# Altium PCB PA_8CH_CTRL.PcbDoc (part 7 of 10)
Units mm, origin at the board's own origin, x right, y up, seen from the top; angles counter-clockwise.
Board outline 390 x 110 mm, 4 copper layers (Component Side, Signal Layer 1, Power Plane, Solder Side), stack 1.604 mm thick; 833 components, 525 nets, 2536 pads, 1881 vias.
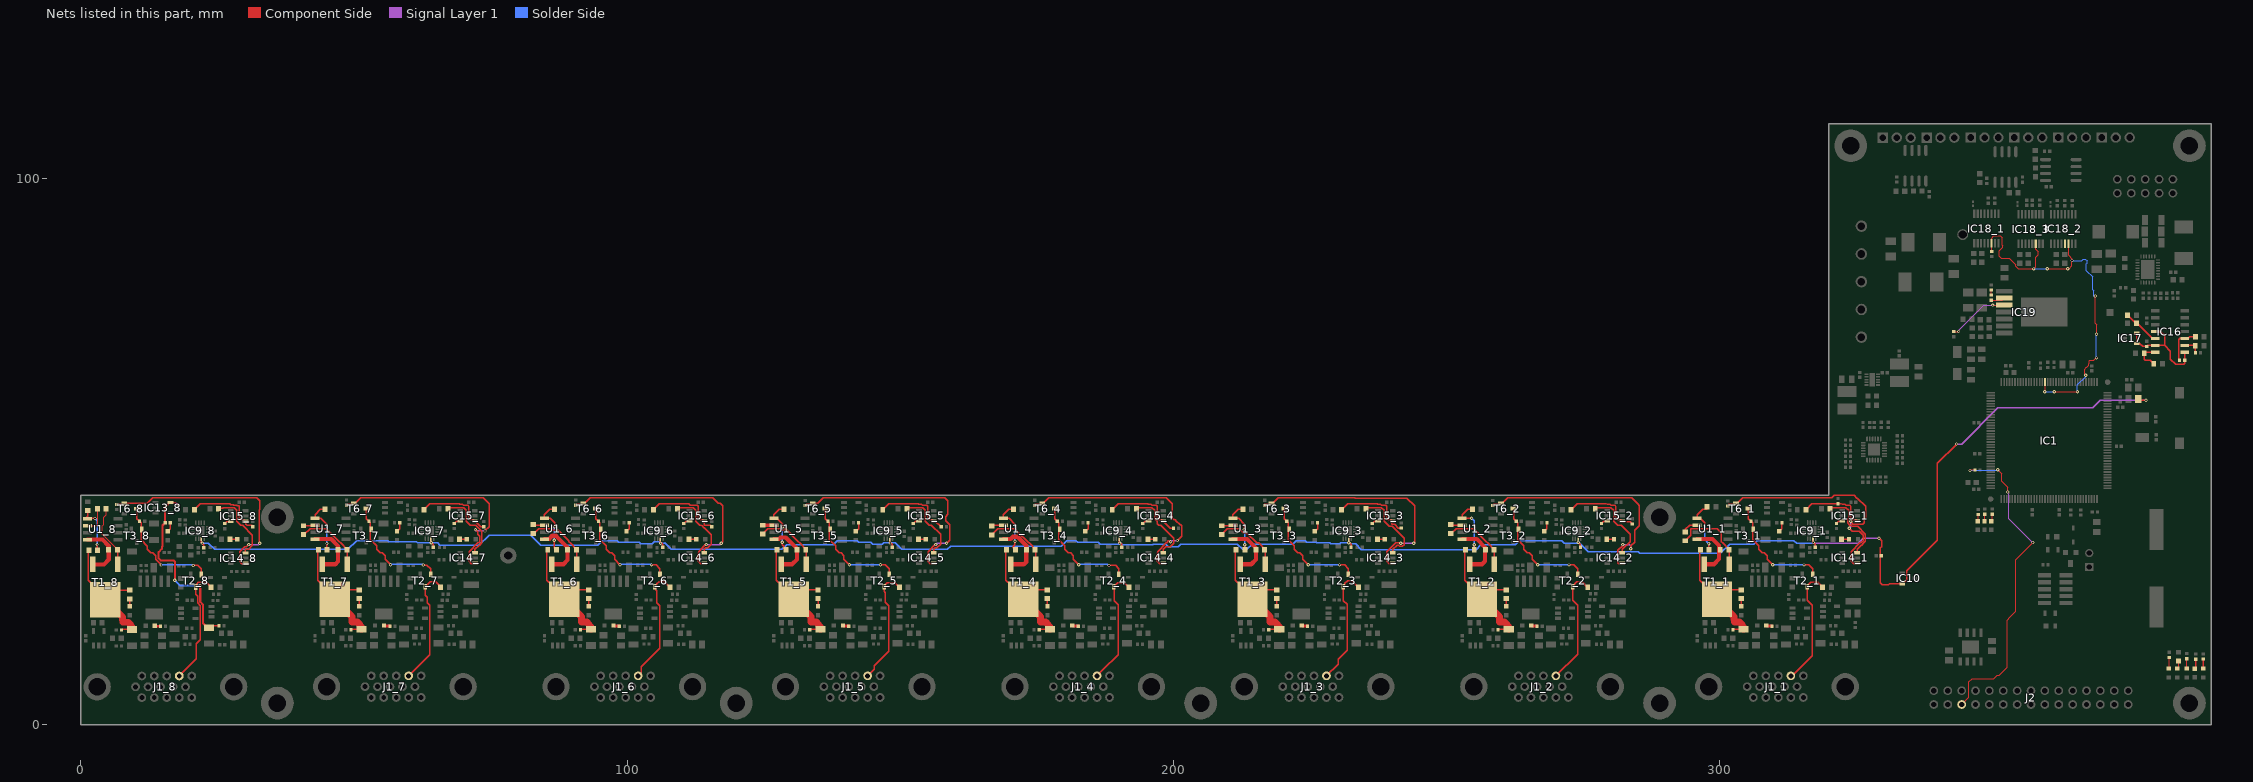
[diagram p9: the nets of this part, all layers, seen from the top]

## Via types
v1: diameter 0.6, hole 0.3, Component Side to Solder Side, tented both sides, 1530 vias
v2: diameter 0.6, hole 0.3, Component Side to Solder Side, 351 vias

## Nets (pads, with @x,y where several pads share a name; then routed paths per layer and width w, separated by ;. In a path a pad name is that pad's centre, name@x,y a point inside that pad or via, vN(x,y) a via of type N, cw(c..) or ccw(c..) an arc to the next point about the centre after c; other vN are vias at no path point) (continued)
NetIC13_8_5: IC13_8.5 R38_8.1 R46_8.2 R86_8.2 R104_8.1 | length 37.7
  Component Side w0.254: IC13_8.5@16.398,40.68 17.318,40.68 R86_8.2@17.811,40.187 ; 17.214,29.134 17.214,26.499 v1(17.221,26.492) ; R38_8.1@23.495,17.804 23.823,18.132 R46_8.2@25.311,18.132
  Component Side w0.381: IC13_8.5@16.398,40.68 16.194,40.68 15.847,40.332 15.847,40.287 15.456,39.897 R104_8.1@15.456,36.982 14.961,36.487 14.961,32.685 14.839,32.563 14.839,32.218 14.251,31.631 14.251,30.509 14.644,30.117 16.98,30.117 17.278,29.819 17.278,26.549 v1(17.221,26.492) ; v1(21.869,25.502) 21.876,25.495 21.876,22.53 22.386,22.02 22.386,18.61 23.192,17.804 R38_8.1@23.495,17.804
  Solder Side w0.381: v1(17.221,26.492) 18.212,25.502 v1(21.869,25.502)
NetIC14_1_4: IC14_1.4 R52_1.2 T6_1.1 | length 43.7
  Component Side w0.254: 301.61,40.376 302.805,40.376 T6_1.1@302.985,40.556 303.192,40.556 304.204,41.568 320.568,41.568 321,42 324.606,42 325.092,41.514 325.236,41.514 326.723,40.027 326.723,38.019 326.5,37.796 326.5,37 326.23,36.73 324.415,36.73 324.158,36.986 ; v2(323.75,36) 324.29,35.46 325.54,35.46 326.25,34.75 326.25,33.75 326.004,33.504 326.004,33.484 325.841,33.321 325.7,33.321 324.108,31.729 324.108,31.529 324.083,31.504 324.083,29.955 324.515,29.523 325.067,29.523 IC14_1.4@325.154,29.61
  Signal Layer 1 w0.254: v2(323.75,36) 323.999,36.249 v2(323.999,37.25)
NetIC14_1_6: IC14_1.6 R54_1.1 | length 14.2
  Component Side w0.254: R54_1.1@320.235,39.577 320.387,39.729 321.01,39.729 321.069,39.788 323.089,39.788 323.6,39.277 323.6,37.829 323.42,37.649 323.42,37.005 323.846,36.579 323.99,36.579 324.246,36.323 325.252,36.323 326.656,34.918 326.656,33.582 326.411,33.336 326.411,33.316 326.009,32.914 325.948,32.914 325.154,32.12 IC14_1.6@325.154,31.51
NetIC14_2_4: IC14_2.4 R52_2.2 T6_2.1 | length 42.9
  Component Side w0.254: R52_2.2@258.61,40.376 259.805,40.376 T6_2.1@259.985,40.556 260.215,40.556 261.227,41.568 283.932,41.568 285.171,40.329 285.171,40.171 285.25,40.092 285.25,36.46 284.429,35.639 284.429,33.429 283.749,32.749 v2(283.749,32.25) ; IC14_2.4@282.154,29.61 282.067,29.523 281.515,29.523 281.349,29.689 281.349,31.926 v2@282.337,32.913
  Signal Layer 1 w0.254: v2(282.25,33) 283.499,33 283.749,32.75 v2(283.749,32.25)
NetIC14_2_6: IC14_2.6 R54_2.1 | length 13.8
  Component Side w0.254: R54_2.1@277.235,39.577 277.387,39.729 278.01,39.729 278.069,39.788 280.089,39.788 280.6,39.277 280.6,37.291 281.337,36.554 282.021,36.554 283.656,34.918 283.656,33.562 283.009,32.914 282.948,32.914 282.829,32.796 282.829,32.76 282.49,32.421 282.454,32.421 282.154,32.12 IC14_2.6@282.154,31.51
NetIC14_3_4: IC14_3.4 R52_3.2 T6_3.1 | length 44.2
  Component Side w0.254: R52_3.2@216.61,40.376 217.805,40.376 T6_3.1@217.985,40.556 218.229,40.556 219.241,41.568 233.256,41.568 233.324,41.5 242.75,41.5 244.165,40.085 244.165,33.415 v2(244,33.25) ; IC14_3.4@240.154,29.61 240.067,29.523 239.515,29.523 239.083,29.955 239.083,31.504 239.108,31.529 239.108,31.729 240.7,33.321 241.586,33.321 v2(241.656,33.25)
  Signal Layer 1 w0.254: v2(241.656,33.25) v2(244,33.25)
NetIC14_3_6: IC14_3.6 R54_3.1 | length 15
  Component Side w0.254: R54_3.1@235.235,39.577 235.387,39.729 236.01,39.729 236.069,39.788 238.089,39.788 238.6,39.277 238.6,37.291 239.548,36.344 240.056,36.344 242.236,34.164 242.236,33.01 241.896,32.671 241.416,32.671 241.173,32.914 240.948,32.914 240.154,32.12 IC14_3.6@240.154,31.51
NetIC14_4_4: IC14_4.4 R52_4.2 T6_4.1 | length 42
  Component Side w0.254: R52_4.2@174.61,40.376 175.805,40.376 T6_4.1@175.985,40.556 176.217,40.556 177.23,41.568 198.75,41.568 199.827,40.492 199.827,37.86 200.166,37.521 200.483,37.521 200.483,37.357 201.25,36.589 201.376,36.589 201.539,36.426 201.539,34.539 v2(200.75,33.75) ; IC14_4.4@198.154,29.61 198.067,29.523 197.515,29.523 197.083,29.955 197.083,31.504 197.108,31.529 197.108,31.729 198.7,33.321 198.841,33.321 199.004,33.484 199.004,33.75 199.204,33.75 199.454,33.5 v2(199.5,33.5)
  Signal Layer 1 w0.254: v2@199.5,33.75 v2(200.75,33.75)
NetIC14_4_6: IC14_4.6 R54_4.1 | length 14.4
  Component Side w0.254: R54_4.1@193.235,39.577 193.387,39.729 194.01,39.729 194.069,39.788 196.089,39.788 196.6,39.277 196.6,37.719 197.079,37.24 197.079,36.812 197.337,36.554 197.715,36.554 200.079,34.19 200.079,33.26 199.413,32.594 198.627,32.594 198.154,32.12 IC14_4.6@198.154,31.51
NetIC14_5_4: IC14_5.4 R52_5.2 T6_5.1 | length 42.4
  Component Side w0.254: R52_5.2@132.639,40.145 132.87,40.376 133.805,40.376 T6_5.1@133.985,40.556 134.876,40.556 135.889,41.568 158.182,41.568 158.75,41 158.75,38.513 158.361,38.124 158.361,37.354 159.039,36.676 159.039,33.789 v2(158.5,33.25) ; IC14_5.4@156.154,29.61 156.067,29.523 155.515,29.523 155.083,29.955 155.083,31.504 155.108,31.529 155.108,31.729 v2@156.439,33.06
  Signal Layer 1 w0.254: v2(156.5,33) 156.75,33.25 v2(158.5,33.25)
NetIC14_5_6: IC14_5.6 R54_5.1 | length 13.5
  Component Side w0.254: R54_5.1@151.235,39.577 151.387,39.729 152.01,39.729 152.069,39.788 154.089,39.788 154.6,39.277 154.6,37.291 155.337,36.554 155.715,36.554 157.411,34.859 157.411,33.091 156.74,32.421 156.454,32.421 156.154,32.12 IC14_5.6@156.154,31.51
NetIC14_6_4: IC14_6.4 R52_6.2 T6_6.1 | length 42.8
  Component Side w0.254: R52_6.2@90.61,40.376 91.805,40.376 T6_6.1@91.985,40.556 92.22,40.556 93.232,41.568 115.682,41.568 116.716,40.534 117.105,40.534 117.5,40.139 117.5,33.5 v2(117.25,33.25) ; IC14_6.4@114.154,29.61 114.067,29.523 113.515,29.523 113.083,29.955 113.083,31.504 113.108,31.529 113.108,31.729 v2@114.439,33.06
  Signal Layer 1 w0.254: v2(114.5,33) 117,33 v2(117.25,33.25)
NetIC14_6_6: IC14_6.6 R54_6.1 | length 13.5
  Component Side w0.254: R54_6.1@109.235,39.577 109.387,39.729 110.01,39.729 110.069,39.788 112.089,39.788 112.6,39.277 112.6,37.291 113.337,36.554 113.632,36.554 113.742,36.445 113.742,36.434 114.082,36.094 114.093,36.094 115.411,34.776 115.411,33.092 114.74,32.421 114.454,32.421 114.154,32.12 IC14_6.6@114.154,31.51
NetIC14_7_4: IC14_7.4 R52_7.2 T6_7.1 | length 42.6
  Component Side w0.254: R52_7.2@48.61,40.376 49.805,40.376 T6_7.1@49.985,40.556 50.233,40.556 51.246,41.568 73.682,41.568 74.75,40.5 74.75,36.25 v2(74,35.5) ; IC14_7.4@72.154,29.61 72.067,29.523 71.515,29.523 71.083,29.955 71.083,31.504 71.108,31.529 71.108,31.729 72.7,33.321 72.841,33.321 73.004,33.484 73.004,34.516 72.658,34.862 72.658,35.341 v2(72.25,35.75)
  Signal Layer 1 w0.254: v2(72.25,35.75) 72.25,35.524 72.274,35.5 v2(74,35.5)
NetIC14_7_6: IC14_7.6 R54_7.1 | length 13.7
  Component Side w0.254: R54_7.1@67.235,39.577 67.387,39.729 68.01,39.729 68.069,39.788 70.089,39.788 70.6,39.277 70.6,37.291 71.337,36.554 72.265,36.554 73.411,35.408 73.411,33.316 73.009,32.914 72.948,32.914 72.154,32.12 IC14_7.6@72.154,31.51
NetIC14_8_4: IC14_8.4 R52_8.2 T6_8.1 | length 42
  Component Side w0.254: R52_8.2@6.61,40.347 7.805,40.347 T6_8.1@7.985,40.527 12.181,40.527 13.193,41.539 23,41.539 23.036,41.575 32.175,41.575 32.75,41 32.75,39.388 32.721,39.358 32.721,33.279 v2(32.75,33.25) ; IC14_8.4@30.154,29.581 30.067,29.494 29.515,29.494 29.083,29.926 29.083,31.475 29.108,31.5 29.108,31.7 30,32.592 30.342,32.592 v2(30.75,33)
  Signal Layer 1 w0.254: v2(30.75,33) 32.5,33 v2(32.75,33.25)
NetIC14_8_6: IC14_8.6 R54_8.1 | length 13.6
  Component Side w0.254: R54_8.1@25.235,39.548 25.387,39.7 26.01,39.7 26.069,39.759 28.089,39.759 28.6,39.248 28.6,37.262 29.337,36.525 29.632,36.525 31.411,34.747 31.411,32.841 30.755,32.186 30.248,32.186 30.154,32.091 IC14_8.6@30.154,31.481
NetIC15_1_1: IC15_1.1 R87_1.1 R89_1.1 | length 12.3
  Component Side w0.254: R87_1.1@315.815,39.374 316.907,40.466 321.657,40.466 R89_1.1@321.67,40.478 322.286,40.478 322.421,40.344 322.954,40.344 323.056,40.242 323.536,40.242 323.543,40.249 323.622,40.17 323.897,40.17 324.032,40.034 324.032,38.011 324.214,37.829 324.239,37.829 324.491,37.578 324.879,37.578 IC15_1.1@325.148,37.309
NetIC15_1_6: IC15_1.6 R90_1.2 | length 1.2
  Component Side w0.254: R90_1.2@321.391,36.872 321.828,37.309 IC15_1.6@322.448,37.309
NetIC15_2_1: IC15_2.1 R87_2.1 R89_2.1 | length 14.5
  Component Side w0.254: R87_2.1@272.815,39.374 273.907,40.466 278.657,40.466 278.67,40.478 279.286,40.478 279.421,40.344 279.954,40.344 280.056,40.242 280.536,40.242 280.543,40.249 280.622,40.17 280.897,40.17 281.032,40.034 281.032,38.011 281.465,37.578 281.879,37.578 IC15_2.1@282.148,37.309 282.148,37.151 283.629,37.151 R89_2.1@284,36.78
NetIC15_2_6: IC15_2.6 R90_2.2 | length 1.2
  Component Side w0.254: R90_2.2@278.391,36.872 278.828,37.309 IC15_2.6@279.448,37.309
NetIC15_3_1: IC15_3.1 R87_3.1 R89_3.1 | length 15
  Component Side w0.254: R87_3.1@230.815,39.374 231.907,40.466 236.657,40.466 236.67,40.478 237.286,40.478 237.421,40.344 237.954,40.344 238.056,40.242 238.536,40.242 238.543,40.249 238.622,40.17 238.897,40.17 239.032,40.034 239.032,38.011 239.465,37.578 239.879,37.578 IC15_3.1@240.148,37.309 240,37.161 240,36.75 240.5,36.75 241.22,36.03 R89_3.1@241.75,36.03
NetIC15_3_6: IC15_3.6 R90_3.2 | length 1.2
  Component Side w0.254: R90_3.2@236.391,36.872 236.828,37.309 IC15_3.6@237.448,37.309
NetIC15_4_1: IC15_4.1 R87_4.1 R89_4.1 | length 14.7
  Component Side w0.254: R87_4.1@188.815,39.374 189.907,40.466 194.657,40.466 194.67,40.478 195.286,40.478 195.421,40.344 195.954,40.344 196.056,40.242 196.536,40.242 196.543,40.249 196.622,40.17 196.897,40.17 197.032,40.034 197.032,38.011 197.465,37.578 197.879,37.578 IC15_4.1@198.148,37.309 199.457,36 R89_4.1@200.03,36
NetIC15_4_6: IC15_4.6 R90_4.2 | length 1.2
  Component Side w0.254: R90_4.2@194.391,36.872 194.828,37.309 IC15_4.6@195.448,37.309
NetIC15_5_1: IC15_5.1 R87_5.1 R89_5.1 | length 14.1
  Component Side w0.254: R87_5.1@146.815,39.374 147.907,40.466 152.657,40.466 152.67,40.478 153.286,40.478 153.421,40.344 153.954,40.344 154.056,40.242 154.536,40.242 154.543,40.249 154.622,40.17 154.897,40.17 155.032,40.034 155.032,38.011 155.465,37.578 155.879,37.578 IC15_5.1@156.148,37.309 156.441,37.309 157.5,36.25 R89_5.1@157.53,36.25
NetIC15_5_6: IC15_5.6 R90_5.2 | length 1.2
  Component Side w0.254: R90_5.2@152.391,36.872 152.828,37.309 IC15_5.6@153.448,37.309
NetIC15_6_1: IC15_6.1 R87_6.1 R89_6.1 | length 14.5
  Component Side w0.254: R87_6.1@104.815,39.374 105.907,40.466 110.657,40.466 110.67,40.478 111.286,40.478 111.551,40.213 112.579,40.213 112.622,40.17 112.897,40.17 113.032,40.034 113.032,38.011 113.465,37.578 113.879,37.578 IC15_6.1@114.148,37.309 114.148,36.602 114.25,36.5 115.28,36.5 R89_6.1@115.5,36.28
NetIC15_6_6: IC15_6.6 R90_6.2 | length 1.2
  Component Side w0.254: R90_6.2@110.391,36.872 110.828,37.309 IC15_6.6@111.448,37.309
NetIC15_7_1: IC15_7.1 R87_7.1 R89_7.1 | length 14.3
  Component Side w0.254: R87_7.1@62.815,39.374 63.907,40.466 68.657,40.466 68.67,40.478 69.286,40.478 69.421,40.344 69.954,40.344 70.056,40.242 70.536,40.242 70.543,40.249 70.622,40.17 70.897,40.17 71.032,40.034 71.032,38.011 71.465,37.578 71.879,37.578 IC15_7.1@72.148,37.309 72.191,37.309 73.25,36.25 73.72,36.25 R89_7.1@73.75,36.28
NetIC15_7_6: IC15_7.6 R90_7.2 | length 1.2
  Component Side w0.254: R90_7.2@68.391,36.872 68.828,37.309 IC15_7.6@69.448,37.309
NetIC15_8_1: IC15_8.1 R87_8.1 R89_8.1 | length 14.3
  Component Side w0.254: R87_8.1@20.815,39.345 21.907,40.437 26.657,40.437 26.67,40.449 27.286,40.449 27.421,40.315 27.954,40.315 28.056,40.213 28.536,40.213 28.543,40.22 28.622,40.141 28.897,40.141 29.032,40.005 29.032,37.982 29.465,37.549 29.879,37.549 IC15_8.1@30.148,37.28 30.25,37.178 30.25,36.75 30.5,36.5 31.28,36.5 R89_8.1@31.5,36.28
NetIC15_8_6: IC15_8.6 R90_8.2 | length 1.2
  Component Side w0.254: R90_8.2@26.391,36.843 26.828,37.28 IC15_8.6@27.448,37.28
NetIC16_5: IC16.5 R94.2 R95.1 | length 6.6
  Component Side w0.254: R94.2@374.7,75 376.2,73.5 R95.1@376.3,73.5 ; R95.1@376.475,73.498 378.754,71.219 378.754,71.212 379.237,70.73 IC16.5@379.724,70.73
NetIC16_7: IC16.7 R96.1 R97.2 | length 5.3
  Component Side w0.254: R96.1@379.475,66.075 379.475,66.125 378.825,66.775 377.925,66.775 377.725,66.975 R97.2@377.725,68 377.915,68.19 IC16.7@379.724,68.19
NetIC16_9: IC16.9 R98.1 R99.2 | length 3.3
  Component Side w0.254: IC16.9@385.124,69.46 387.022,69.46 R98.1@387.069,69.413 387.094,69.388 R99.2@387.094,68.118
NetIC16_10: IC16.10 R91.1 R93.1 | length 6.4
  Component Side w0.254: R93.1@384.008,66.772 384.008,70.531 384.207,70.73 IC16.10@385.124,70.73 ; IC16.10@385.786,70.785 386.091,71.09 R91.1@387.094,71.09
NetIC18_2_13: IC18_2.13
NetIC19_2: IC19.2 R27.1 | length 2.5
  Component Side w0.152: R27.1@349.75,77.73 351.745,77.73 IC19.2@352.125,78.11
NetIC19_3: IC19.3 R28.1 | length 11.4
  Component Side w0.152: R28.1@342.85,71.995 343.745,71.995 v2(343.75,72) ; v2(350,76.84) IC19.3@352.125,76.84
  Signal Layer 1 w0.152: v2(343.75,72) 343.75,72.25 348.34,76.84 v2(350,76.84)
NetJ1_1_14: J1_1.14 R84_1.1 T2_1.3 | length 22.1
  Component Side w0.254: J1_1.14@313.036,8.98 313.304,8.98 316.992,12.668 316.992,21.922 316.082,22.832 T2_1.3@316.082,25.266 316.082,25.513 316.706,26.137 317.953,26.137 R84_1.1@318.863,25.226
NetJ1_2_14: J1_2.14 R84_2.1 T2_2.3 | length 22
  Component Side w0.254: J1_2.14@270.036,8.98 274.015,12.959 274.015,21.899 273.082,22.832 T2_2.3@273.082,25.266 273.082,25.388 273.882,26.187 274.853,26.187 275.815,25.226 R84_2.1@275.863,25.226
NetJ1_3_14: J1_3.14 R84_3.1 T2_3.3 | length 22.1
  Component Side w0.254: J1_3.14@228.036,8.98 230.186,11.13 230.186,12 231.814,13.628 231.814,22.064 231.135,22.743 231.135,25.213 T2_3.3@231.082,25.266 231.373,25.557 231.373,25.894 231.895,26.416 232.673,26.416 R84_3.1@233.863,25.226
NetJ1_4_14: J1_4.14 R84_4.1 T2_4.3 | length 21.7
  Component Side w0.254: J1_4.14@186.036,8.98 187.115,10.059 189.89,12.834 189.89,22.022 189.149,22.763 189.149,25.199 T2_4.3@189.082,25.266 189.082,25.309 189.833,26.06 191.029,26.06 R84_4.1@191.863,25.226
NetJ1_5_14: J1_5.14 R84_5.1 T2_5.3 | length 21.8
  Component Side w0.254: J1_5.14@144.036,8.98 145.25,10.194 145.25,10.808 147.93,13.487 147.93,21.819 147.295,22.454 147.295,24.206 147.082,24.419 T2_5.3@147.082,25.266 147.082,25.473 147.664,26.056 149.034,26.056 R84_5.1@149.863,25.226
NetJ1_6_14: J1_6.14 R84_6.1 T2_6.3 | length 22
  Component Side w0.254: J1_6.14@102.036,8.98 102.623,9.567 102.623,10.675 106.018,14.07 106.018,21.821 105.461,22.377 105.461,24.587 105.082,24.966 T2_6.3@105.082,25.266 105.082,25.377 105.44,25.735 105.44,25.792 105.861,26.213 106.858,26.213 107.845,25.226 R84_6.1@107.863,25.226
NetJ1_7_14: J1_7.14 R84_7.1 T2_7.3 | length 21.9
  Component Side w0.254: J1_7.14@60.036,8.98 63.906,12.85 63.906,21.895 63.475,22.327 63.475,23.343 63.082,23.735 T2_7.3@63.082,25.266 63.082,25.293 63.976,26.187 64.999,26.187 65.863,25.323 R84_7.1@65.863,25.226
NetJ1_8_14: J1_8.14 R84_8.1 T2_8.3 | length 22
  Component Side w0.254: J1_8.14@18.036,8.951 21.184,12.099 21.184,14.814 21.916,15.546 21.916,21.826 21.406,22.335 21.406,23.524 21.061,23.869 21.061,25.216 T2_8.3@21.082,25.237 21.194,25.349 21.214,25.349 21.214,25.742 21.553,26.081 22.979,26.081 R84_8.1@23.863,25.197
NetJ2_26: J2.26 R3.2 | length 59.6
  Component Side w0.152: J2.26@344.3,3.73 345.643,5.073 345.643,7.874 346.241,8.472 350.176,8.472 350.823,9.119 351.205,9.119 352.61,10.523 352.61,19.195 353.206,19.791 353.226,19.791 354.198,20.764 354.198,30.221 v1(357.353,33.376) ; v1(345.846,46.584) 345.923,46.66 R3.2@346.748,46.66 ; v1(350.901,46.685) 351.638,45.949 351.638,44.552 352.73,43.459 v1(352.73,42.621)
  Signal Layer 1 w0.152: v1(352.73,42.621) 352.954,42.397 352.954,37.775 v1(357.353,33.376)
  Solder Side w0.152: v1(345.846,46.584) 350.799,46.584 v1(350.901,46.685)
NetLD1_1_2: LD1_1.2 R7_1.1 | length 1.4
  Component Side w0.254: LD1_1.2@303.96,21.706 R7_1.1@303.96,23.106
NetLD1_2_2: LD1_2.2 R7_2.1 | length 1.4
  Component Side w0.254: LD1_2.2@260.96,21.706 R7_2.1@260.96,23.106
NetLD1_3_2: LD1_3.2 R7_3.1 | length 1.4
  Component Side w0.254: LD1_3.2@218.96,21.706 R7_3.1@218.96,23.106
NetLD1_4_2: LD1_4.2 R7_4.1 | length 1.4
  Component Side w0.254: LD1_4.2@176.96,21.706 R7_4.1@176.96,23.106
NetLD1_5_2: LD1_5.2 R7_5.1 | length 1.4
  Component Side w0.254: LD1_5.2@134.96,21.706 R7_5.1@134.96,23.106
NetLD1_6_2: LD1_6.2 R7_6.1 | length 1.4
  Component Side w0.254: LD1_6.2@92.96,21.706 R7_6.1@92.96,23.106
NetLD1_7_2: LD1_7.2 R7_7.1 | length 1.4
  Component Side w0.254: LD1_7.2@50.96,21.706 R7_7.1@50.96,23.106
NetLD1_8_2: LD1_8.2 R7_8.1 | length 1.4
  Component Side w0.254: LD1_8.2@8.96,21.677 R7_8.1@8.96,23.077
NetLD2_1_2: LD2_1.2 R11_1.2 | length 0.9
  Component Side w0.508: LD2_1.2@308.685,18.081 R11_1.2@309.59,18.081
NetLD2_2_2: LD2_2.2 R11_2.2 | length 0.9
  Component Side w0.508: LD2_2.2@265.685,18.081 R11_2.2@266.59,18.081
NetLD2_3_2: LD2_3.2 R11_3.2 | length 0.9
  Component Side w0.508: LD2_3.2@223.685,18.081 R11_3.2@224.59,18.081
NetLD2_4_2: LD2_4.2 R11_4.2 | length 0.9
  Component Side w0.508: LD2_4.2@181.685,18.081 R11_4.2@182.59,18.081
NetLD2_5_2: LD2_5.2 R11_5.2 | length 0.9
  Component Side w0.508: LD2_5.2@139.685,18.081 R11_5.2@140.59,18.081
NetLD2_6_2: LD2_6.2 R11_6.2 | length 0.9
  Component Side w0.508: LD2_6.2@97.685,18.081 R11_6.2@98.59,18.081
NetLD2_7_2: LD2_7.2 R11_7.2 | length 0.9
  Component Side w0.508: LD2_7.2@55.685,18.081 R11_7.2@56.59,18.081
NetLD2_8_2: LD2_8.2 R11_8.2 | length 0.9
  Component Side w0.508: LD2_8.2@13.685,18.052 R11_8.2@14.59,18.052
NetLD3_2: LD3.2 R21.2 | length 1.5
  Component Side w0.254: LD3.2@388.549,10.381 R21.2@388.549,11.931
NetLD4_1_2: LD4_1.2 R107_1.1 | length 1.3
  Component Side w0.254: R107_1.1@322.348,34.009 LD4_1.2@323.673,34.009
NetLD4_2_2: LD4_2.2 R107_2.1 | length 1.3
  Component Side w0.254: R107_2.1@279.348,34.009 LD4_2.2@280.673,34.009
NetLD4_3_2: LD4_3.2 R107_3.1 | length 1.3
  Component Side w0.254: R107_3.1@237.348,34.009 LD4_3.2@238.673,34.009
NetLD4_4_2: LD4_4.2 R107_4.1 | length 1.3
  Component Side w0.254: R107_4.1@195.348,34.009 LD4_4.2@196.673,34.009
NetLD4_5_2: LD4_5.2 R107_5.1 | length 1.3
  Component Side w0.254: R107_5.1@153.348,34.009 LD4_5.2@154.673,34.009
NetLD4_6_2: LD4_6.2 R107_6.1 | length 1.3
  Component Side w0.254: R107_6.1@111.348,34.009 LD4_6.2@112.673,34.009
NetLD4_7_2: LD4_7.2 R107_7.1 | length 1.3
  Component Side w0.254: R107_7.1@69.348,34.009 LD4_7.2@70.673,34.009
NetLD4_8_2: LD4_8.2 R107_8.1 | length 1.3
  Component Side w0.254: R107_8.1@27.348,33.98 LD4_8.2@28.673,33.98
NetLD9_2: LD9.2 R101.2 | length 1.2
  Component Side w0.152: R101.2@348.564,38.57 348.564,37.528 LD9.2@348.691,37.401
NetLD10_2: LD10.2 R102.2 | length 1.1
  Component Side w0.152: R102.2@347.32,38.494 347.32,37.427 LD10.2@347.345,37.401
NetLD11_2: LD11.2 R103.2 | length 1.2
  Component Side w0.152: R103.2@349.885,38.57 349.885,37.554 LD11.2@350.037,37.401
NetLD12_1_1: LD12_1.1 R104_1.2 | length 1.8
  Component Side w0.254: LD12_1.1@310.9,35.424 311.396,35.919 R104_1.2@311.396,37.011
NetLD12_2_1: LD12_2.1 R104_2.2 | length 1.8
  Component Side w0.254: LD12_2.1@267.9,35.424 268.396,35.919 R104_2.2@268.396,37.011
NetLD12_3_1: LD12_3.1 R104_3.2 | length 1.8
  Component Side w0.254: LD12_3.1@225.9,35.424 226.396,35.919 R104_3.2@226.396,37.011
NetLD12_4_1: LD12_4.1 R104_4.2 | length 1.8
  Component Side w0.254: LD12_4.1@183.9,35.424 184.396,35.919 R104_4.2@184.396,37.011
NetLD12_5_1: LD12_5.1 R104_5.2 | length 1.8
  Component Side w0.254: LD12_5.1@141.9,35.424 142.396,35.919 R104_5.2@142.396,37.011
NetLD12_6_1: LD12_6.1 R104_6.2 | length 1.8
  Component Side w0.254: LD12_6.1@99.9,35.424 100.396,35.919 R104_6.2@100.396,37.011
NetLD12_7_1: LD12_7.1 R104_7.2 | length 1.8
  Component Side w0.254: LD12_7.1@57.9,35.424 58.396,35.919 R104_7.2@58.396,37.011
NetLD12_8_1: LD12_8.1 R104_8.2 | length 1.8
  Component Side w0.254: LD12_8.1@15.9,35.395 16.396,35.89 R104_8.2@16.396,36.982
NetLD16_2: LD16.2 R109.2 | length 1.8
  Component Side w0.152: R109.2@385.53,12.112 385.53,10.632 LD16.2@385.78,10.382
NetLD17_2: LD17.2 R110.1 | length 1.1
  Component Side w0.152: LD17.2@384.029,10.381 R110.1@384.029,11.481
NetLD18_1: LD18.1 R108.2 | length 2
  Component Side w0.152: LD18.1@382.28,10.382 R108.2@382.28,12.362
NetLD19_2: LD19.2 R111.1 | length 1.6
  Component Side w0.254: R111.1@387.148,12.007 387.173,11.981 LD19.2@387.173,10.407
NetR7_1_2: R7_1.2 R8_1.2 R37_1.2 R44_1.2 T1_1.3 | length 22
  Component Side w0.254: R8_1.2@296.486,32.033 296.349,31.896 296.349,26.468 T1_1.3@297.21,25.607 ; T1_1.3@299.51,22.956 301.26,24.706 R7_1.2@303.96,24.706 ; R44_1.2@302.455,17.399 302.558,17.502 R37_1.2@304.398,17.502
  Component Side w1.27: T1_1.3@299.51,22.956 302.671,19.795 302.671,19.262 302.691,19.241 302.691,18.817 303.649,18.817 304.073,18.393 304.073,18.256 304.398,17.931 R37_1.2@304.398,17.502
NetR7_2_2: R7_2.2 R8_2.2 R37_2.2 R44_2.2 T1_2.3 | length 22
  Component Side w0.254: R8_2.2@253.486,32.033 253.349,31.896 253.349,26.468 T1_2.3@254.21,25.607 ; T1_2.3@256.51,22.956 258.26,24.706 R7_2.2@260.96,24.706 ; R44_2.2@259.455,17.399 259.558,17.502 R37_2.2@261.398,17.502
  Component Side w1.27: T1_2.3@256.51,22.956 259.671,19.795 259.671,19.262 259.691,19.241 259.691,18.817 260.649,18.817 261.073,18.393 261.073,18.256 261.398,17.931 R37_2.2@261.398,17.502
NetR7_3_2: R7_3.2 R8_3.2 R37_3.2 R44_3.2 T1_3.3 | length 22
  Component Side w0.254: R8_3.2@211.486,32.033 211.349,31.896 211.349,26.468 T1_3.3@212.21,25.607 ; T1_3.3@214.51,22.956 216.26,24.706 R7_3.2@218.96,24.706 ; R44_3.2@217.455,17.399 217.558,17.502 R37_3.2@219.398,17.502
  Component Side w1.27: T1_3.3@214.51,22.956 217.671,19.795 217.671,19.262 217.691,19.241 217.691,18.817 218.649,18.817 219.073,18.393 219.073,18.256 219.398,17.931 R37_3.2@219.398,17.502
NetR7_4_2: R7_4.2 R8_4.2 R37_4.2 R44_4.2 T1_4.3 | length 22
  Component Side w0.254: R8_4.2@169.486,32.033 169.349,31.896 169.349,26.468 T1_4.3@170.21,25.607 ; T1_4.3@172.51,22.956 174.26,24.706 R7_4.2@176.96,24.706 ; R44_4.2@175.455,17.399 175.558,17.502 R37_4.2@177.398,17.502
  Component Side w1.27: T1_4.3@172.51,22.956 175.671,19.795 175.671,19.262 175.691,19.241 175.691,18.817 176.649,18.817 177.073,18.393 177.073,18.256 177.398,17.931 R37_4.2@177.398,17.502
NetR7_5_2: R7_5.2 R8_5.2 R37_5.2 R44_5.2 T1_5.3 | length 22
  Component Side w0.254: R8_5.2@127.486,32.033 127.349,31.896 127.349,26.468 T1_5.3@128.21,25.607 ; T1_5.3@130.51,22.956 132.26,24.706 R7_5.2@134.96,24.706 ; R44_5.2@133.455,17.399 133.558,17.502 R37_5.2@135.398,17.502
  Component Side w1.27: T1_5.3@130.51,22.956 133.671,19.795 133.671,19.262 133.691,19.241 133.691,18.817 134.649,18.817 135.073,18.393 135.073,18.256 135.398,17.931 R37_5.2@135.398,17.502
NetR7_6_2: R7_6.2 R8_6.2 R37_6.2 R44_6.2 T1_6.3 | length 22
  Component Side w0.254: R8_6.2@85.486,32.033 85.349,31.896 85.349,26.468 T1_6.3@86.21,25.607 ; T1_6.3@88.51,22.956 90.26,24.706 R7_6.2@92.96,24.706 ; R44_6.2@91.455,17.399 91.558,17.502 R37_6.2@93.398,17.502
  Component Side w1.27: T1_6.3@88.51,22.956 91.671,19.795 91.671,19.262 91.691,19.241 91.691,18.817 92.649,18.817 93.073,18.393 93.073,18.256 93.398,17.931 R37_6.2@93.398,17.502
NetR7_7_2: R7_7.2 R8_7.2 R37_7.2 R44_7.2 T1_7.3 | length 22
  Component Side w0.254: R8_7.2@43.486,32.033 43.349,31.896 43.349,26.468 T1_7.3@44.21,25.607 ; T1_7.3@46.51,22.956 48.26,24.706 R7_7.2@50.96,24.706 ; R44_7.2@49.455,17.399 49.558,17.502 R37_7.2@51.398,17.502
  Component Side w1.27: T1_7.3@46.51,22.956 49.671,19.795 49.671,19.262 49.691,19.241 49.691,18.817 50.649,18.817 51.073,18.393 51.073,18.256 51.398,17.931 R37_7.2@51.398,17.502
NetR7_8_2: R7_8.2 R8_8.2 R37_8.2 R44_8.2 T1_8.3 | length 22
  Component Side w0.254: R8_8.2@1.486,32.004 1.349,31.867 1.349,26.439 T1_8.3@2.21,25.578 ; T1_8.3@4.51,22.927 6.26,24.677 R7_8.2@8.96,24.677 ; R44_8.2@7.455,17.37 7.558,17.473 R37_8.2@9.398,17.473
  Component Side w1.27: T1_8.3@4.51,22.927 7.671,19.766 7.671,19.233 7.691,19.212 7.691,18.788 8.649,18.788 9.073,18.364 9.073,18.227 9.398,17.902 R37_8.2@9.398,17.473
NetR8_1_1: R8_1.1 R9_1.2 U1_1.5 | length 10
  Component Side w0.254: v2(297.25,36.5) 297.25,37 296.439,37.811 U1_1.5@295.885,37.811 295.885,38.481 296.885,39.481 R9_1.2@297.735,39.481 ; v1(298.044,33.172) 298.044,31.991 R8_1.1@298.086,32.033
  Solder Side w0.254: v2(297.25,36.5) 297.25,33.966 v1(298.044,33.172)
NetR8_2_1: R8_2.1 R9_2.2 U1_2.5 | length 10.6
  Component Side w0.254: U1_2.5@252.885,37.811 252.885,38.481 253.885,39.481 R9_2.2@254.735,39.481 ; U1_2.5@253.065,37.811 v1(254.603,37.811) ; v1(255.067,32.98) 255.067,32.385 254.9,32.219 R8_2.1@255.086,32.033
  Solder Side w0.254: v1(254.603,37.811) 255.067,37.347 v1(255.067,32.98)
NetR8_3_1: R8_3.1 R9_3.2 U1_3.5 | length 10.5
  Component Side w0.254: R9_3.2@212.735,39.481 211.885,39.481 210.885,38.481 U1_3.5@210.885,37.811 211.939,37.811 213,36.75 v2(213,35.75) ; v1(213.081,32.994) 213.081,32.537 212.831,32.288 R8_3.1@213.086,32.033
  Solder Side w0.254: v2(213,35.75) 213.081,35.75 v1(213.081,32.994)
NetR8_4_1: R8_4.1 R9_4.2 U1_4.5 | length 10.6
  Component Side w0.254: R9_4.2@170.735,39.481 169.885,39.481 168.885,38.481 U1_4.5@168.885,37.811 169.939,37.811 171,36.75 v2(171,36.5) ; v1(171.018,33.604) 171.018,32.931 170.603,32.516 R8_4.1@171.086,32.033
  Solder Side w0.254: v1(171.018,33.604) v2@171.018,36.5
NetR8_5_1: R8_5.1 R9_5.2 U1_5.5 | length 10.1
  Component Side w0.254: v1(128.422,33.452) 128.422,32.996 128.753,32.666 128.603,32.516 R8_5.1@129.086,32.033 ; v2(128.5,36.25) 128.5,36.75 127.439,37.811 U1_5.5@126.885,37.811 126.885,38.481 127.885,39.481 R9_5.2@128.735,39.481
  Solder Side w0.254: v1(128.422,33.452) v2@128.422,36.25
NetR8_6_1: R8_6.1 R9_6.2 U1_6.5 | length 10.3
  Component Side w0.254: v1(86.665,33.782) 86.665,32.454 R8_6.1@87.086,32.033 ; R9_6.2@86.735,39.481 85.885,39.481 84.885,38.481 U1_6.5@84.885,37.811 85.939,37.811 86.75,37 v2(86.75,36.25)
  Solder Side w0.254: v1(86.665,33.782) 86.665,36.165 v2(86.75,36.25)
NetR8_7_1: R8_7.1 R9_7.2 U1_7.5 | length 10.2
  Component Side w0.254: R9_7.2@44.735,39.481 43.885,39.481 42.885,38.481 U1_7.5@42.885,37.811 43.939,37.811 45,36.75 v2(45,36.5) ; v1(45.06,33.198) 45.06,32.059 R8_7.1@45.086,32.033
  Solder Side w0.254: v2(45,36.5) 45.06,36.44 v1(45.06,33.198)
NetR8_8_1: R8_8.1 R9_8.2 U1_8.5 | length 9.6
  Component Side w0.254: U1_8.5@1.065,37.782 v1(2.603,37.782) ; U1_8.5@1.214,37.719 0.948,37.719 0.885,37.782 1.3,38.197 R9_8.2@1.3,39.25 ; v1(2.997,33.001) 2.997,32.385 2.851,32.239 R8_8.1@3.086,32.004
  Solder Side w0.254: v1(2.603,37.782) 2.997,37.388 v1(2.997,33.001)
NetR12_1_1: R12_1.1 R29_1.2 T1_1.1 | length 14.8
  Component Side w0.254: R29_1.2@293.75,33.7 294.75,34.7 294.75,35.9 299.558,35.9 300.279,35.179 300.279,33.612 300.329,33.562 300.329,33.547 300.581,33.295 300.596,33.295 301.79,32.101 T1_1.1@301.79,29.406
NetR12_1_2: R12_1.2 T1_1.2 U1_1.8 | length 10
  Component Side w0.762: U1_1.8@295.885,34.001 295.89,34.006 298.715,34.006 299.911,32.81 299.911,30.366 298.951,29.406 T1_1.2@297.23,29.406
NetR12_2_1: R12_2.1 R29_2.2 T1_2.1 | length 12.6
  Component Side w0.254: R29_2.2@250.825,35.05 250.9,35.05 251.775,35.925 254.966,35.925 257.329,33.562 257.329,33.547 257.581,33.295 257.596,33.295 258.79,32.101 T1_2.1@258.79,29.406
NetR12_2_2: R12_2.2 T1_2.2 U1_2.8 | length 10.4
  Component Side w0.762: U1_2.8@252.885,34.001 255.559,34.001 257.073,32.487 257.073,29.947 256.533,29.406 T1_2.2@254.23,29.406
NetR12_3_1: R12_3.1 R29_3.2 T1_3.1 | length 12.6
  Component Side w0.254: R29_3.2@208.9,34.85 208.9,34.925 209.875,35.9 212.031,35.9 212.76,35.171 213.395,35.171 215.271,33.295 215.596,33.295 216.79,32.101 T1_3.1@216.79,29.406
NetR12_3_2: R12_3.2 T1_3.2 U1_3.8 | length 10.3
  Component Side w0.762: U1_3.8@210.885,34.001 213.522,34.001 215.138,32.385 215.138,30.277 214.267,29.406 T1_3.2@212.23,29.406
NetR12_4_1: R12_4.1 R29_4.2 T1_4.1 | length 12.9
  Component Side w0.254: R29_4.2@166.725,34.775 166.725,34.8 167.85,35.925 170.756,35.925 170.76,35.921 170.97,35.921 171.34,35.551 171.34,35.476 173.521,33.295 173.596,33.295 174.79,32.101 T1_4.1@174.79,29.406
NetR12_4_2: R12_4.2 T1_4.2 U1_4.8 | length 11
  Component Side w0.762: U1_4.8@168.885,34.001 170.236,34.001 170.673,34.438 171.445,34.438 173.076,32.807 173.076,29.845 172.637,29.406 T1_4.2@170.23,29.406
NetR12_5_1: R12_5.1 R29_5.2 T1_5.1 | length 12.8
  Component Side w0.254: R29_5.2@124.825,34.95 125.75,35.875 128.055,35.875 128.26,35.671 128.74,35.671 128.945,35.875 129.016,35.875 131.329,33.562 131.329,33.547 131.581,33.295 131.596,33.295 132.79,32.101 T1_5.1@132.79,29.406
NetR12_5_2: R12_5.2 T1_5.2 U1_5.8 | length 10.4
  Component Side w0.762: U1_5.8@126.885,34.001 127.793,34.001 128.077,34.285 129.062,34.285 131.089,32.258 131.089,30.277 130.219,29.406 T1_5.2@128.23,29.406
NetR12_6_1: R12_6.1 R29_6.2 T1_6.1 | length 12.7
  Component Side w0.254: R29_6.2@82.8,35.05 82.975,35.05 83.85,35.925 86.256,35.925 86.51,35.671 87.393,35.671 89.329,33.735 89.329,33.547 89.581,33.295 89.596,33.295 90.79,32.101 T1_6.1@90.79,29.406
NetR12_6_2: R12_6.2 T1_6.2 U1_6.8 | length 11
  Component Side w0.762: U1_6.8@84.885,34.001 85.831,34.001 85.831,34.127 86.32,34.615 87.01,34.615 87.394,34.232 89.118,32.507 R12_6.2@89.118,32.058 89.118,30.165 88.359,29.406 T1_6.2@86.23,29.406
NetR12_7_1: R12_7.1 R29_7.2 T1_7.1 | length 12.7
  Component Side w0.254: R29_7.2@40.775,34.85 40.9,34.85 41.975,35.925 44.756,35.925 44.76,35.921 44.97,35.921 47.329,33.562 47.329,33.547 47.581,33.295 47.596,33.295 48.79,32.101 T1_7.1@48.79,29.406
NetR12_7_2: R12_7.2 T1_7.2 U1_7.8 | length 10.7
  Component Side w0.762: U1_7.8@42.885,34.001 42.915,34.031 45.858,34.031 47.118,32.771 R12_7.2@47.118,32.058 47.118,29.922 46.602,29.406 T1_7.2@44.23,29.406
NetR12_8_1: R12_8.1 R29_8.2 T1_8.1 | length 11.7
  Component Side w0.203: R29_8.2@4.65,39.575 4.65,38.5 4.2,38.05 4.2,36.65 3.975,36.425 3.975,34.872 6.718,32.129 R12_8.1@6.718,32.029
  Component Side w0.254: T1_8.1@6.79,29.377 R12_8.1@6.79,32.072
NetR12_8_2: R12_8.2 T1_8.2 U1_8.8 | length 10.5
  Component Side w0.254: U1_8.8@0.885,33.972 U1_8.8@1.214,33.972
  Component Side w0.762: U1_8.8@1.214,33.909 3.988,33.909 5.131,32.766 5.131,30.251 4.256,29.377 T1_8.2@2.23,29.377
NetR26_1: R26.1 R27.2 | length 0.9
  Component Side w0.152: R27.2@349.75,78.67 R26.1@349.75,79.58
NetR29_1_1: R29_1.1 U1_1.6 | length 2.9
  Component Side w0.254: R29_1.1@293.75,35.3 293.75,35.791 294.5,36.541 U1_1.6@295.885,36.541
NetR29_2_1: R29_2.1 U1_2.6 | length 2.1
  Component Side w0.254: R29_2.1@250.825,36.65 250.934,36.541 U1_2.6@252.885,36.541
NetR29_3_1: R29_3.1 U1_3.6 | length 2
  Component Side w0.254: R29_3.1@208.9,36.45 210.794,36.45 U1_3.6@210.885,36.541
NetR29_4_1: R29_4.1 U1_4.6 | length 2.2
  Component Side w0.254: R29_4.1@166.725,36.375 166.891,36.541 U1_4.6@168.885,36.541
NetR29_5_1: R29_5.1 U1_5.6 | length 2.1
  Component Side w0.635: R29_5.1@124.825,36.55 126.876,36.55 U1_5.6@126.885,36.541
NetR29_6_1: R29_6.1 U1_6.6 | length 2.1
  Component Side w0.254: R29_6.1@82.8,36.65 82.909,36.541 U1_6.6@84.885,36.541
NetR29_7_1: R29_7.1 U1_7.6 | length 2.1
  Component Side w0.254: R29_7.1@40.775,36.45 42.794,36.45 U1_7.6@42.885,36.541
NetR29_8_1: R29_8.1 U1_8.6 | length 4.9
  Component Side w0.203: U1_8.6@1.214,36.449 2.849,36.449 3.157,36.757 3.157,39.468 R29_8.1@3.05,39.575
NetR40_1_1: R40_1.1 T2_1.1 T3_1.1 T6_1.3 | length 21
  Component Side w0.254: T6_1.3@305.285,39.606 305.285,37.761 R40_1.1@305.765,37.281 306.034,37.012 306.034,33.902 307.167,32.77 307.167,32.146 307.813,31.5 308.181,31.5 308.718,30.963 308.718,30.33 309.707,29.342 v1(309.707,29.29) ; v1(315.443,29.286) 316.341,29.286 317.032,28.596 T2_1.1@317.032,27.566
  Solder Side w0.254: v1(309.707,29.29) 315.439,29.29 v1(315.443,29.286)
NetR40_2_1: R40_2.1 T2_2.1 T3_2.1 T6_2.3 | length 21
  Component Side w0.254: T6_2.3@262.285,39.606 262.285,37.761 R40_2.1@262.765,37.281 263.034,37.012 263.034,33.902 264.167,32.77 264.167,32.146 264.813,31.5 265.179,31.5 265.718,30.961 265.718,30.33 266.707,29.342 v1(266.707,29.29) ; v1(272.44,29.286) 273.341,29.286 274.032,28.596 T2_2.1@274.032,27.566
  Solder Side w0.254: v1(266.707,29.29) 272.437,29.29 v1(272.44,29.286)
NetR40_3_1: R40_3.1 T2_3.1 T3_3.1 T6_3.3 | length 21
  Component Side w0.254: T6_3.3@220.285,39.606 220.285,37.761 R40_3.1@220.765,37.281 221.034,37.012 221.034,33.902 222.167,32.77 222.167,32.146 222.813,31.5 223.167,31.5 223.718,30.949 223.718,30.33 224.707,29.342 v1(224.707,29.29) ; v1(230.429,29.286) 231.341,29.286 232.032,28.596 T2_3.1@232.032,27.566
  Solder Side w0.254: v1(224.707,29.29) 230.425,29.29 v1(230.429,29.286)
NetR40_4_1: R40_4.1 T2_4.1 T3_4.1 T6_4.3 | length 21.1
  Component Side w0.254: T6_4.3@178.285,39.606 178.285,37.761 R40_4.1@178.765,37.281 179.034,37.012 179.034,33.902 180.167,32.77 180.167,32.146 180.813,31.5 181.181,31.5 181.718,30.963 181.718,30.33 182.707,29.342 v1(182.707,29.29) ; v1(188.239,29.185) 189.443,29.185 190.032,28.596 T2_4.1@190.032,27.566
  Solder Side w0.254: v1(182.707,29.29) 182.799,29.382 187.949,29.382 188.146,29.185 v1(188.239,29.185)
NetR40_5_1: R40_5.1 T2_5.1 T3_5.1 T6_5.3 | length 21
  Component Side w0.254: T6_5.3@136.285,39.606 136.285,37.761 R40_5.1@136.765,37.281 137.034,37.012 137.034,33.902 138.167,32.77 138.167,32.146 138.813,31.5 139.17,31.5 139.718,30.951 139.718,30.33 140.707,29.342 v1(140.707,29.29) ; v1(146.406,29.337) 147.291,29.337 148.032,28.596 T2_5.1@148.032,27.566
  Solder Side w0.254: v1(140.707,29.29) 146.358,29.29 v1(146.406,29.337)
NetR40_6_1: R40_6.1 T2_6.1 T3_6.1 T6_6.3 | length 21.1
  Component Side w0.254: T6_6.3@94.285,39.606 94.285,37.761 R40_6.1@94.765,37.281 95.034,37.012 95.034,33.902 96.167,32.77 96.167,32.146 96.813,31.5 97.183,31.5 97.718,30.965 97.718,30.33 98.707,29.342 v1(98.707,29.29) ; v1(104.496,29.286) 105.341,29.286 106.032,28.596 T2_6.1@106.032,27.566
  Solder Side w0.254: v1(98.707,29.29) 98.799,29.382 104.4,29.382 v1(104.496,29.286)
NetR40_7_1: R40_7.1 T2_7.1 T3_7.1 T6_7.3 | length 21.1
  Component Side w0.254: T6_7.3@52.285,39.606 52.285,37.761 R40_7.1@52.765,37.281 53.034,37.012 53.034,33.902 54.167,32.77 54.167,32.146 54.813,31.5 55.172,31.5 55.718,30.953 55.718,30.33 56.707,29.342 v1(56.707,29.29) ; v1(62.713,29.261) 63.367,29.261 64.032,28.596 T2_7.1@64.032,27.566
  Solder Side w0.254: v1(56.707,29.29) 56.799,29.382 62.592,29.382 v1(62.713,29.261)
NetR40_8_1: R40_8.1 T2_8.1 T3_8.1 T6_8.3 | length 21.1
  Component Side w0.254: T6_8.3@10.285,39.577 10.285,37.732 R40_8.1@10.765,37.252 11.034,36.983 11.034,33.873 12.167,32.741 12.167,32.117 12.813,31.471 13.189,31.471 13.718,30.942 13.718,30.289 14.707,29.301 v1(14.707,29.261) ; v1(20.574,29.185) 21.414,29.185 22.032,28.567 T2_8.1@22.032,27.537
  Solder Side w0.254: v1(14.707,29.261) 14.799,29.353 20.406,29.353 v1(20.574,29.185)
OVERN: IC1.56 IC18_1.14 IC18_2.14 IC18_3.14 R23.2 | length 70.1
  Component Side w0.152: R23.2@349.8,86.67 349.8,88.128 IC18_1.14@349.777,88.15 349.777,89.077 350.2,89.5 351.375,89.5 351.75,89.125 351.75,87.825 351.825,87.75 351.825,87.425 351.225,86.825 351.225,85.787 351.578,85.435 353.003,85.435 354.246,84.191 354.246,83.93 354.71,83.467 v2(357.5,83.467) 357.878,83.844 357.878,85.617 358.296,86.035 358.296,86.608 357.878,87.027 IC18_3.14@357.878,88.05 ; v2(359.5,61) 359.574,61.074 IC1.56@359.574,62.745 ; v2(359.999,83.5) v2(363.749,83.5) 364,83.5 364.5,84 v2(364.5,85) 364.5,85.329 363.879,85.95 363.879,88.074 IC18_2.14@363.853,88.1 ; v2(361.25,61) v2(365.5,61) ; v2(367,64) 366.851,64.149 366.851,65.122 367.161,65.431 367.181,65.431 367.584,65.834 367.584,66.107 367.638,66.162 367.638,66.638 367.75,66.75 368.5,66.75 368.991,67.241 v2(368.991,67.177) ; v2(368.749,78.5) 368.749,73.499 369,73.249 v2(369,71.5)
  Solder Side w0.152: v2(357.5,83.467) 357.533,83.5 v2(359.999,83.5) ; v2(359.5,61) v2(361.25,61) ; v2(364.5,85) 366.25,85 366.528,85.278 366.972,85.278 367.278,84.972 367.278,84.531 367.138,84.391 367.138,83.155 368.305,81.988 368.305,79.693 368.529,79.469 368.529,79.031 368.5,79.002 v2@368.5,78.5 ; v2(365.5,61) 365.5,62.25 367,63.75 v2(367,64) ; v2(368.991,67.177) 368.991,71.491 v2(369,71.5)
P1V25_REF: IC16.4 IC16.6 IC16.8 IC17.1 IC17.2 R93.2 R100.1 | length 19.3
  Component Side w0.254: IC17.1@376.35,69.8 IC17.1@376.575,69.8 ; IC17.2@376.35,71.7 376.35,70.025 IC17.1@376.575,69.8 ; IC16.4@379.724,72 380.786,72 381.447,71.339 381.447,69.46 ; IC16.8@385.124,68.19 385.138,68.175 R93.2@385.138,66.721 385.138,66.175 384.963,66 383.5,66 382.535,66.965 382.535,68.372 381.447,69.46 ; IC17.1@376.575,69.8 376.915,69.8 377.435,69.28 R100.1@378.175,69.28 378.355,69.46 IC16.6@379.724,69.46 381.447,69.46
P2V5_REF: C51_1.1 C51_2.1 C51_3.1 C51_4.1 C51_5.1 C51_6.1 C51_7.1 C51_8.1 C52.1 FB2.2 IC9_1.15 IC9_2.15 IC9_3.15 IC9_4.15 IC9_5.15 IC9_6.15 IC9_7.15 IC9_8.15 IC10.2 | length 415.2
  Component Side w0.254: IC9_8.15@22.094,34.056 22.094,33.43 v1(22.25,33.274) 22.53,32.995 C51_8.1@22.53,32.454 ; v1@64.094,33.459 IC9_7.15@64.094,34.085 ; v1@64.207,33.346 64.53,33.024 C51_7.1@64.53,32.483 ; IC9_6.15@106.094,34.085 106.094,33.301 v1(106.147,33.249) ; v1@106.226,33.328 106.53,33.024 C51_6.1@106.53,32.483 ; v1@148.094,33.459 IC9_5.15@148.094,34.085 ; v1@148.206,33.347 148.53,33.024 C51_5.1@148.53,32.483 ; IC9_4.15@190.094,34.085 190.094,33.459 190.53,33.024 C51_4.1@190.53,32.483 ; v1@232.094,33.459 IC9_3.15@232.094,34.085 ; v1@232.167,33.386 232.53,33.024 C51_3.1@232.53,32.483 ; v1(274.142,33.401) 274.117,33.426 274.117,33.437 274.53,33.024 C51_2.1@274.53,32.483 ; IC9_1.15@317.094,34.085 317.094,33.459 v1@317.174,33.38 ; v1(317.17,33.376) v1@317.174,33.38 ; C51_1.1@317.53,32.483 317.53,33.024 v1@317.174,33.38 ; v1(329.184,34.163) 329.662,33.685 329.662,32.653 329.443,32.434 329.443,25.973 329.782,25.633 330.872,25.633 331.111,25.872 IC10.2@333.42,25.872 333.568,25.872 334.224,26.528 334.224,28.23 339.827,33.833 339.827,47.854 v1(343.383,51.41) ; FB2.2@376.642,59.69 376.896,59.436 v1(378.054,59.436)
  Signal Layer 1 w0.254: v1(317.17,33.376) 317.263,33.282 325.38,33.282 326.256,34.158 v1@329.108,34.158 ; v1(343.383,51.41) 344.297,51.41 350.901,58.014 368.275,58.014 369.697,59.436 v1(378.054,59.436)
  Solder Side w0.254: v1(22.25,33.274) 23.353,33.274 24.511,32.116 48.88,32.116 50.494,33.73 56.185,33.73 56.387,33.528 61.443,33.528 61.666,33.304 64.165,33.304 v1(64.186,33.325) 64.211,33.299 65.357,33.299 65.758,32.898 72.898,32.898 74.75,34.75 82.398,34.75 84.25,32.898 94.64,32.898 95.472,33.73 98.185,33.73 98.463,33.452 102.21,33.452 102.51,33.152 104.597,33.152 104.948,33.503 105.893,33.503 v1(106.147,33.249) 106.851,33.249 106.927,33.325 108.136,32.116 128.337,32.116 129.199,32.978 137.758,32.978 138.511,33.73 142.146,33.73 142.426,33.451 144.609,33.451 144.963,33.096 146.761,33.096 146.964,33.299 v1(148.158,33.299) 148.837,33.299 148.914,33.376 148.96,33.33 149.119,33.33 150.332,32.116 158.616,32.116 159.22,32.72 179.501,32.72 180.511,33.73 182.185,33.73 182.514,33.401 183.611,33.401 183.66,33.451 186.285,33.451 186.634,33.101 190.022,33.101 v1(190.195,33.274) 190.195,33.426 190.644,32.978 196.217,32.978 196.331,33.091 198.612,33.091 199.087,32.616 200.866,32.616 201.342,33.091 211.732,33.091 212.714,32.109 213.447,32.109 214.429,33.091 221.872,33.091 222.511,33.73 224.185,33.73 224.464,33.451 226.14,33.451 226.266,33.325 228.681,33.325 228.854,33.152 230.49,33.152 230.663,33.325 v1(232.105,33.325) 232.232,33.325 232.446,33.111 233.416,33.111 234.432,32.096 255.433,32.096 256.315,32.978 262.614,32.978 263.366,33.73 271.115,33.73 271.592,33.253 273.995,33.253 v1(274.142,33.401) 274.218,33.401 275.949,31.671 285.073,31.671 285.35,31.394 300.147,31.394 301.828,33.076 306.222,33.076 306.876,33.73 313.592,33.73 314.119,33.203 316.997,33.203 v1(317.17,33.376)